# Altium PCB controller_V1.0.PcbDoc (part 1 of 8)
Units mm, origin at the board's own origin, x right, y up, seen from the top; angles counter-clockwise.
Board outline 284.13 x 175.13 mm, 4 copper layers (Top Layer, GND, VCC, Bottom Layer); 496 components, 415 nets, 1682 pads, 750 vias.
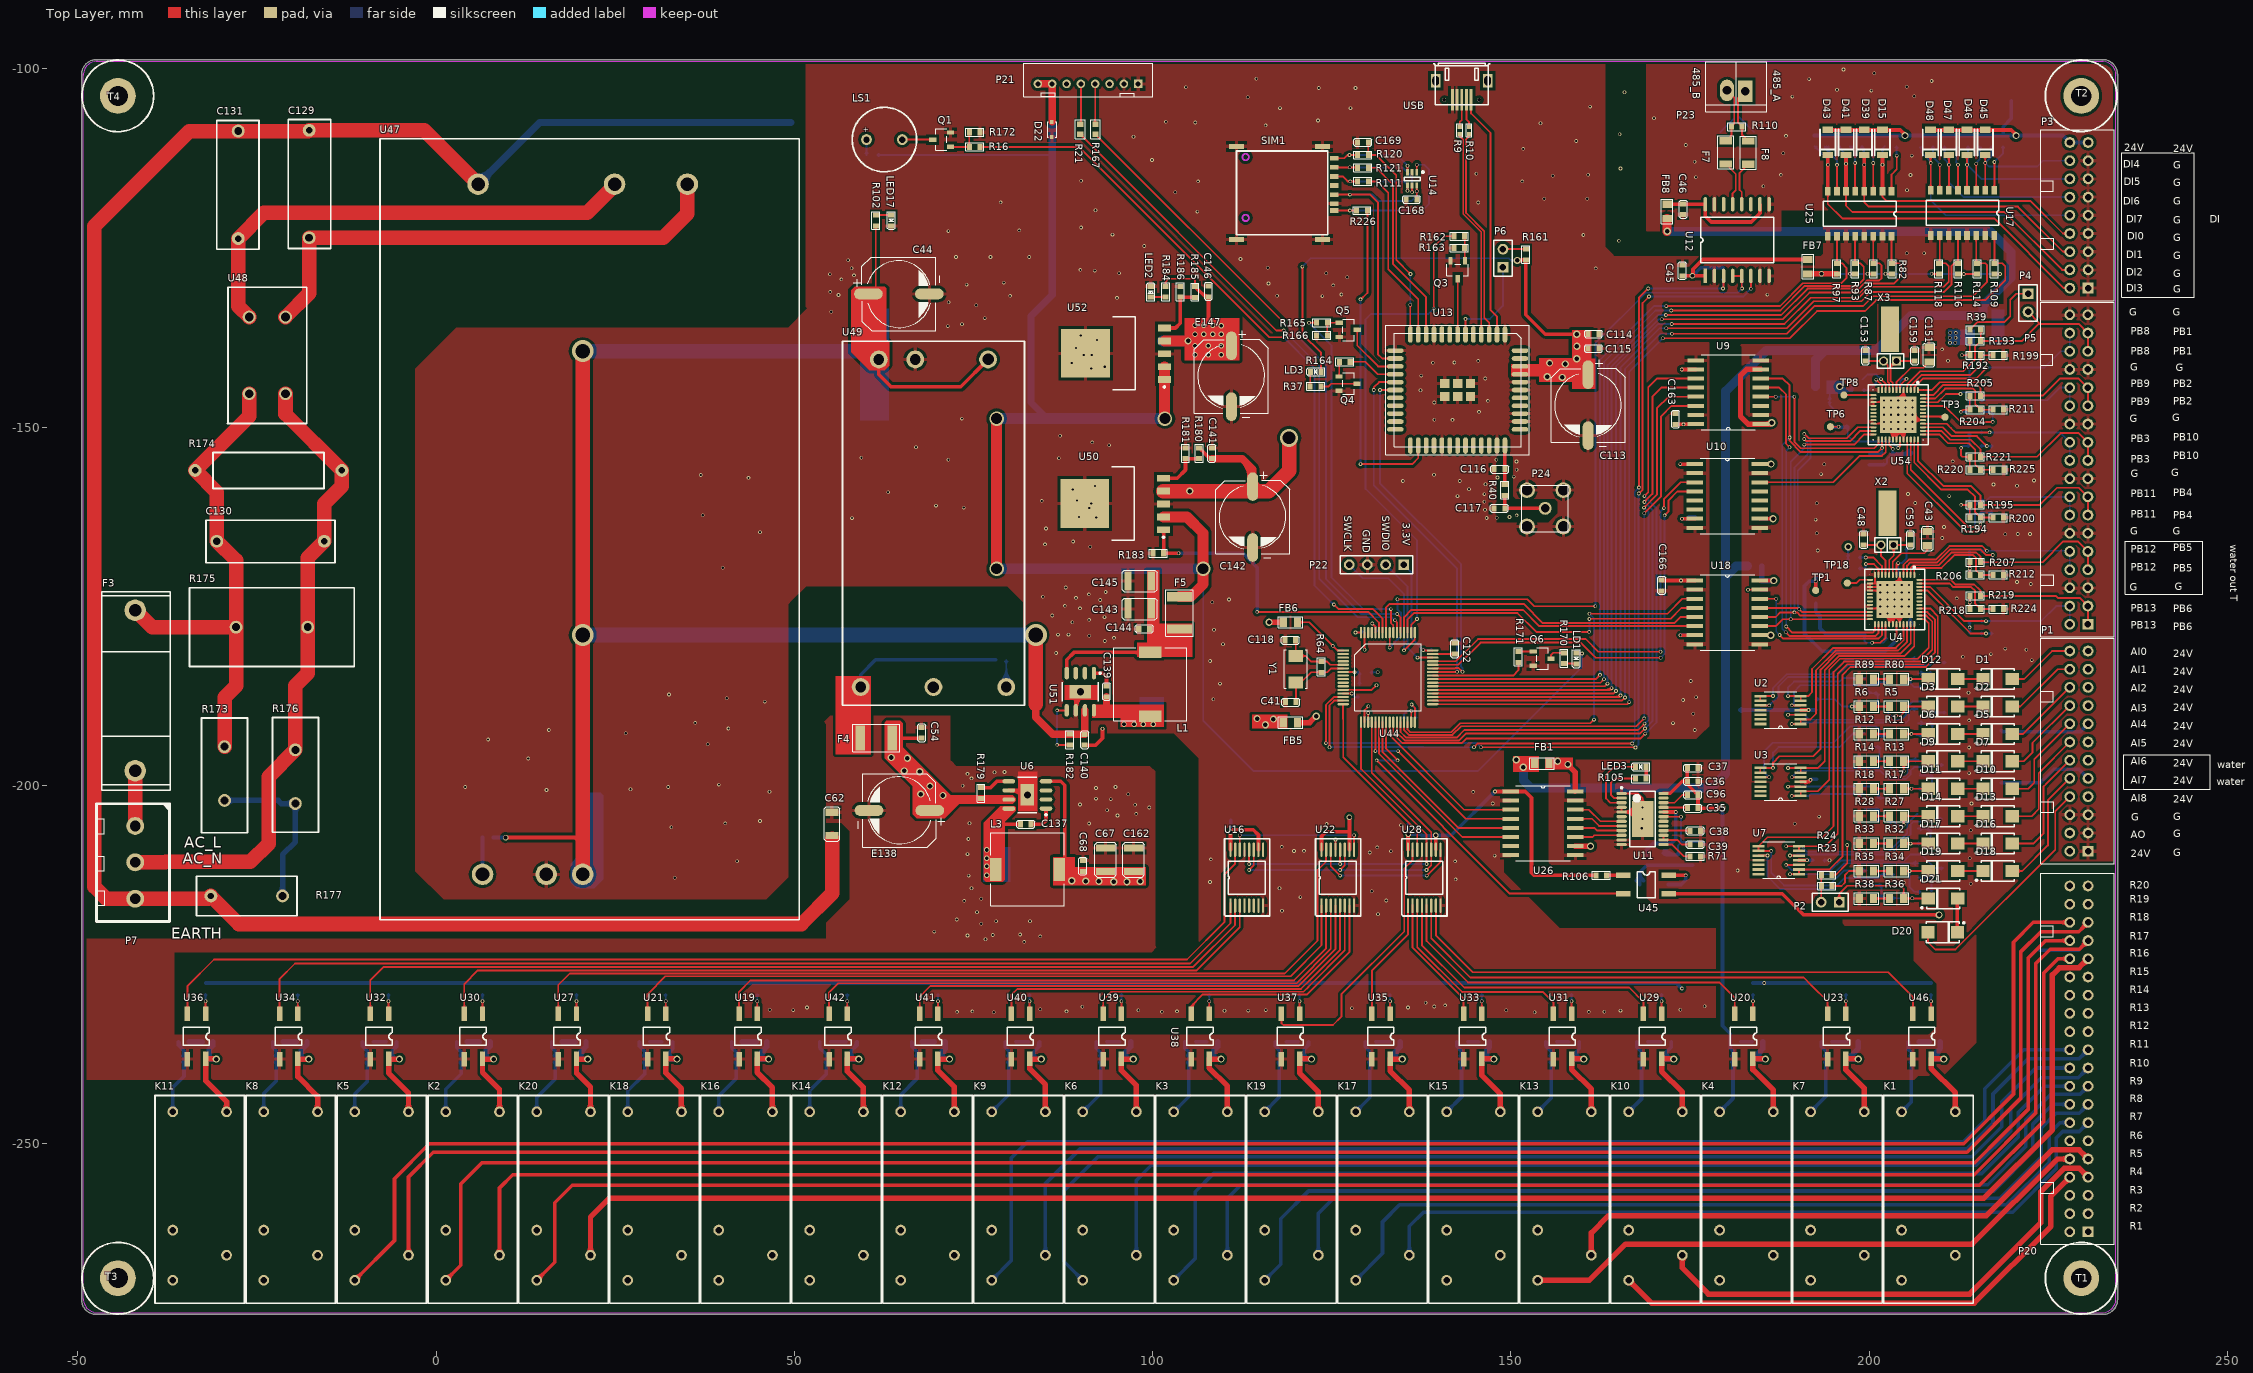
[diagram p0: Top Layer view]
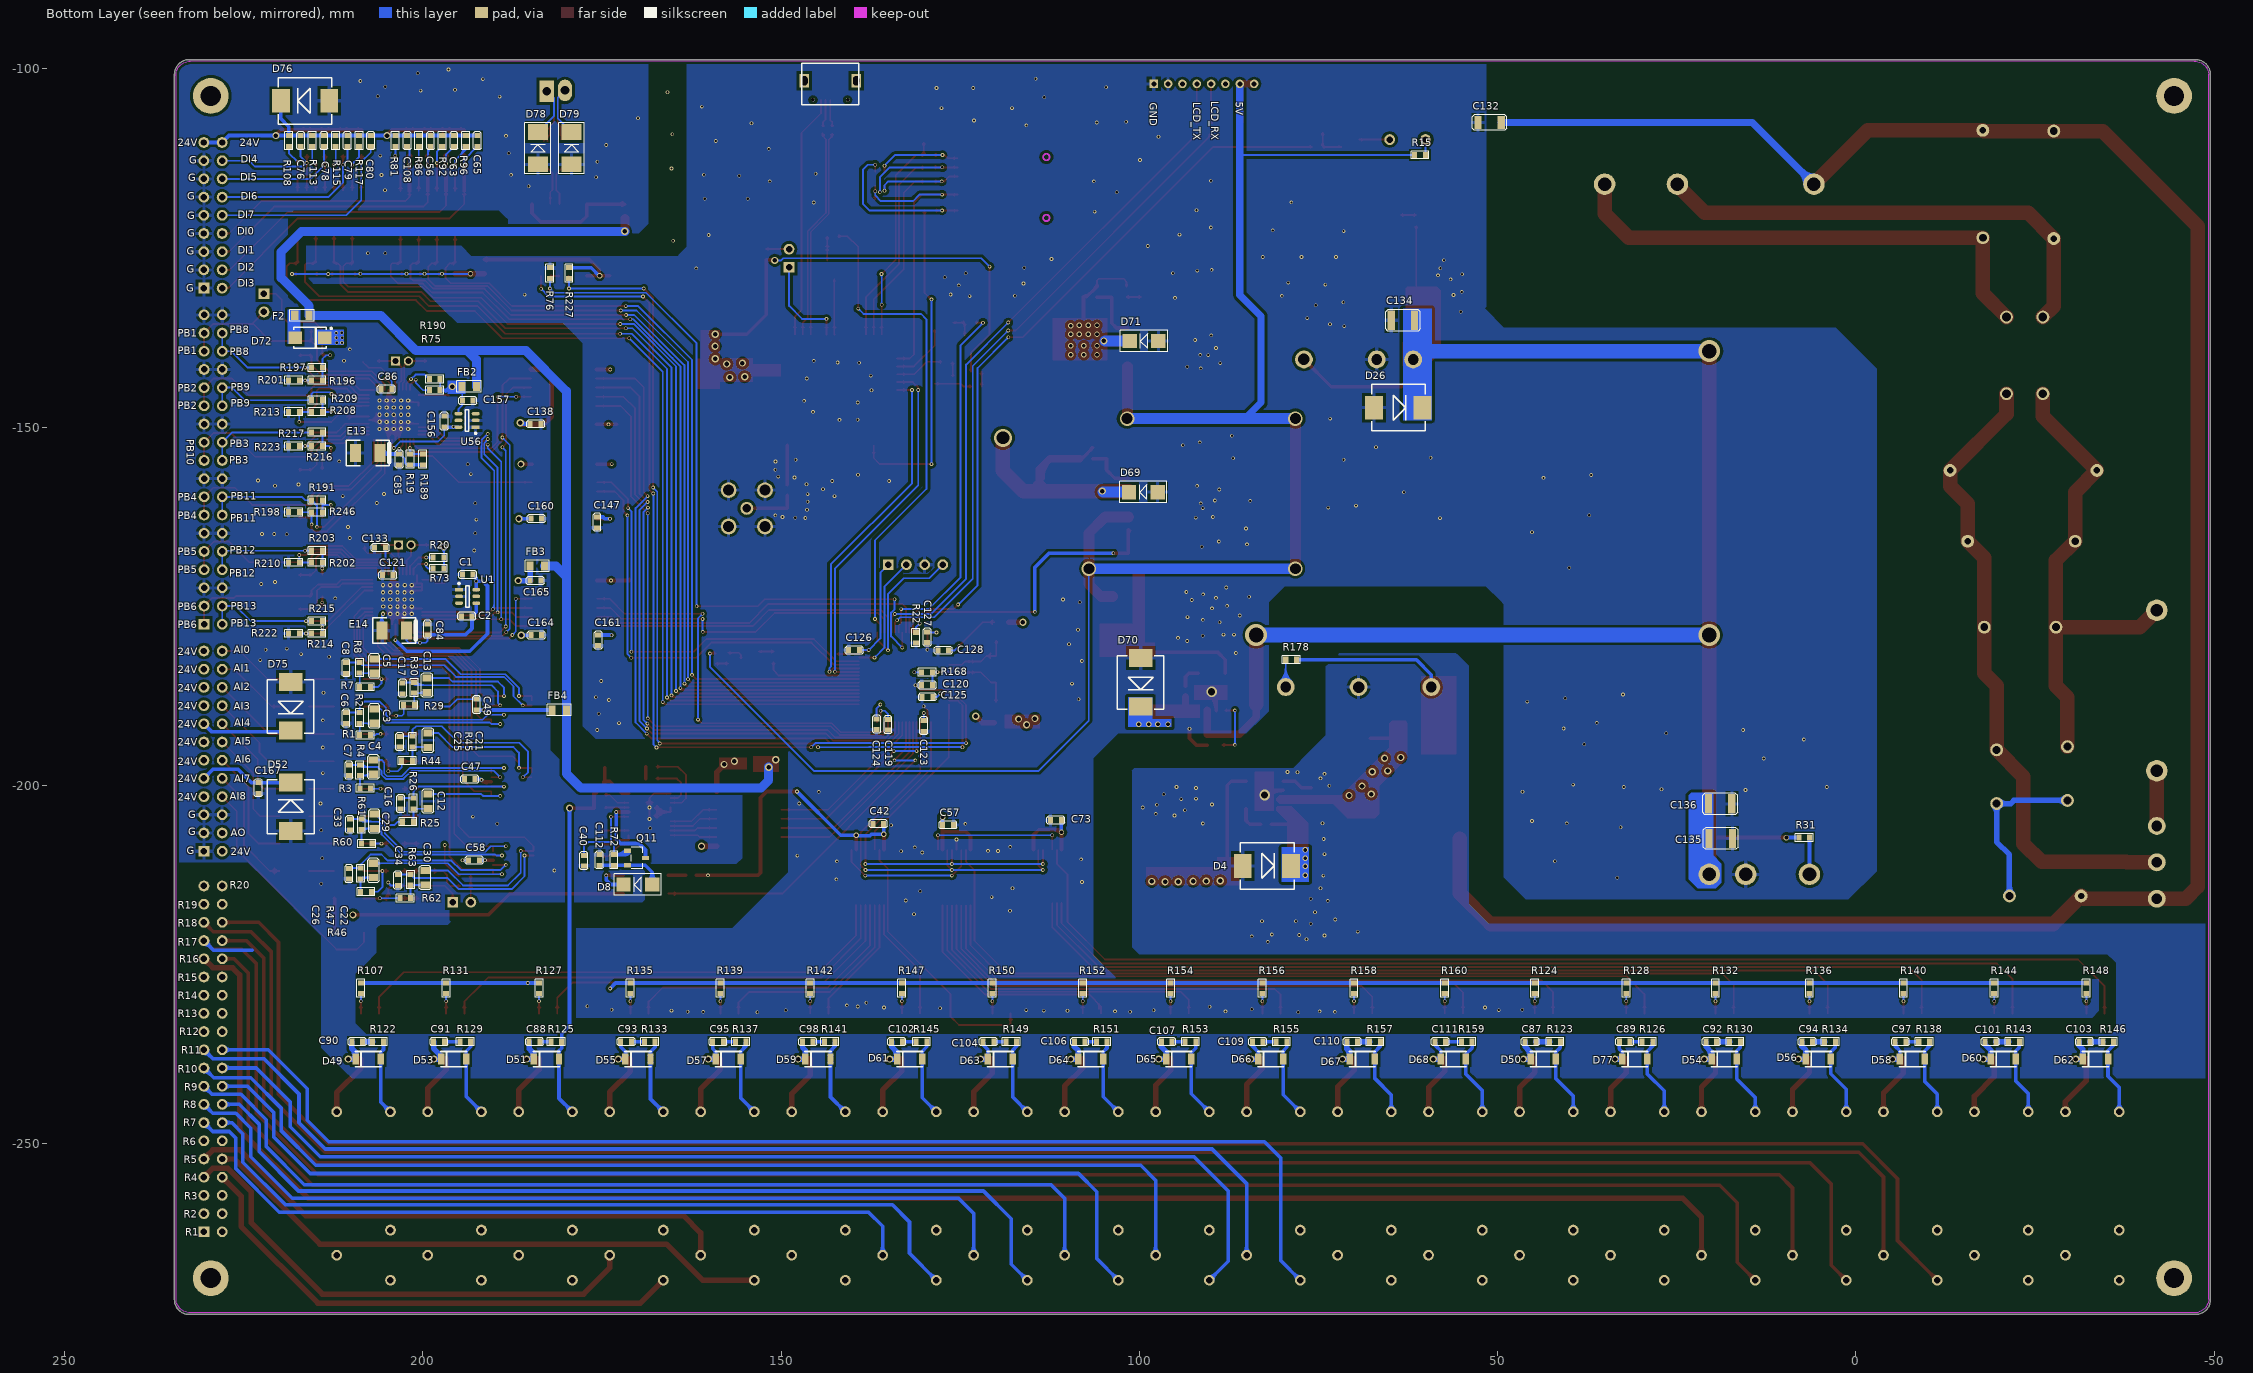
[diagram p1: Bottom Layer view, seen from below]
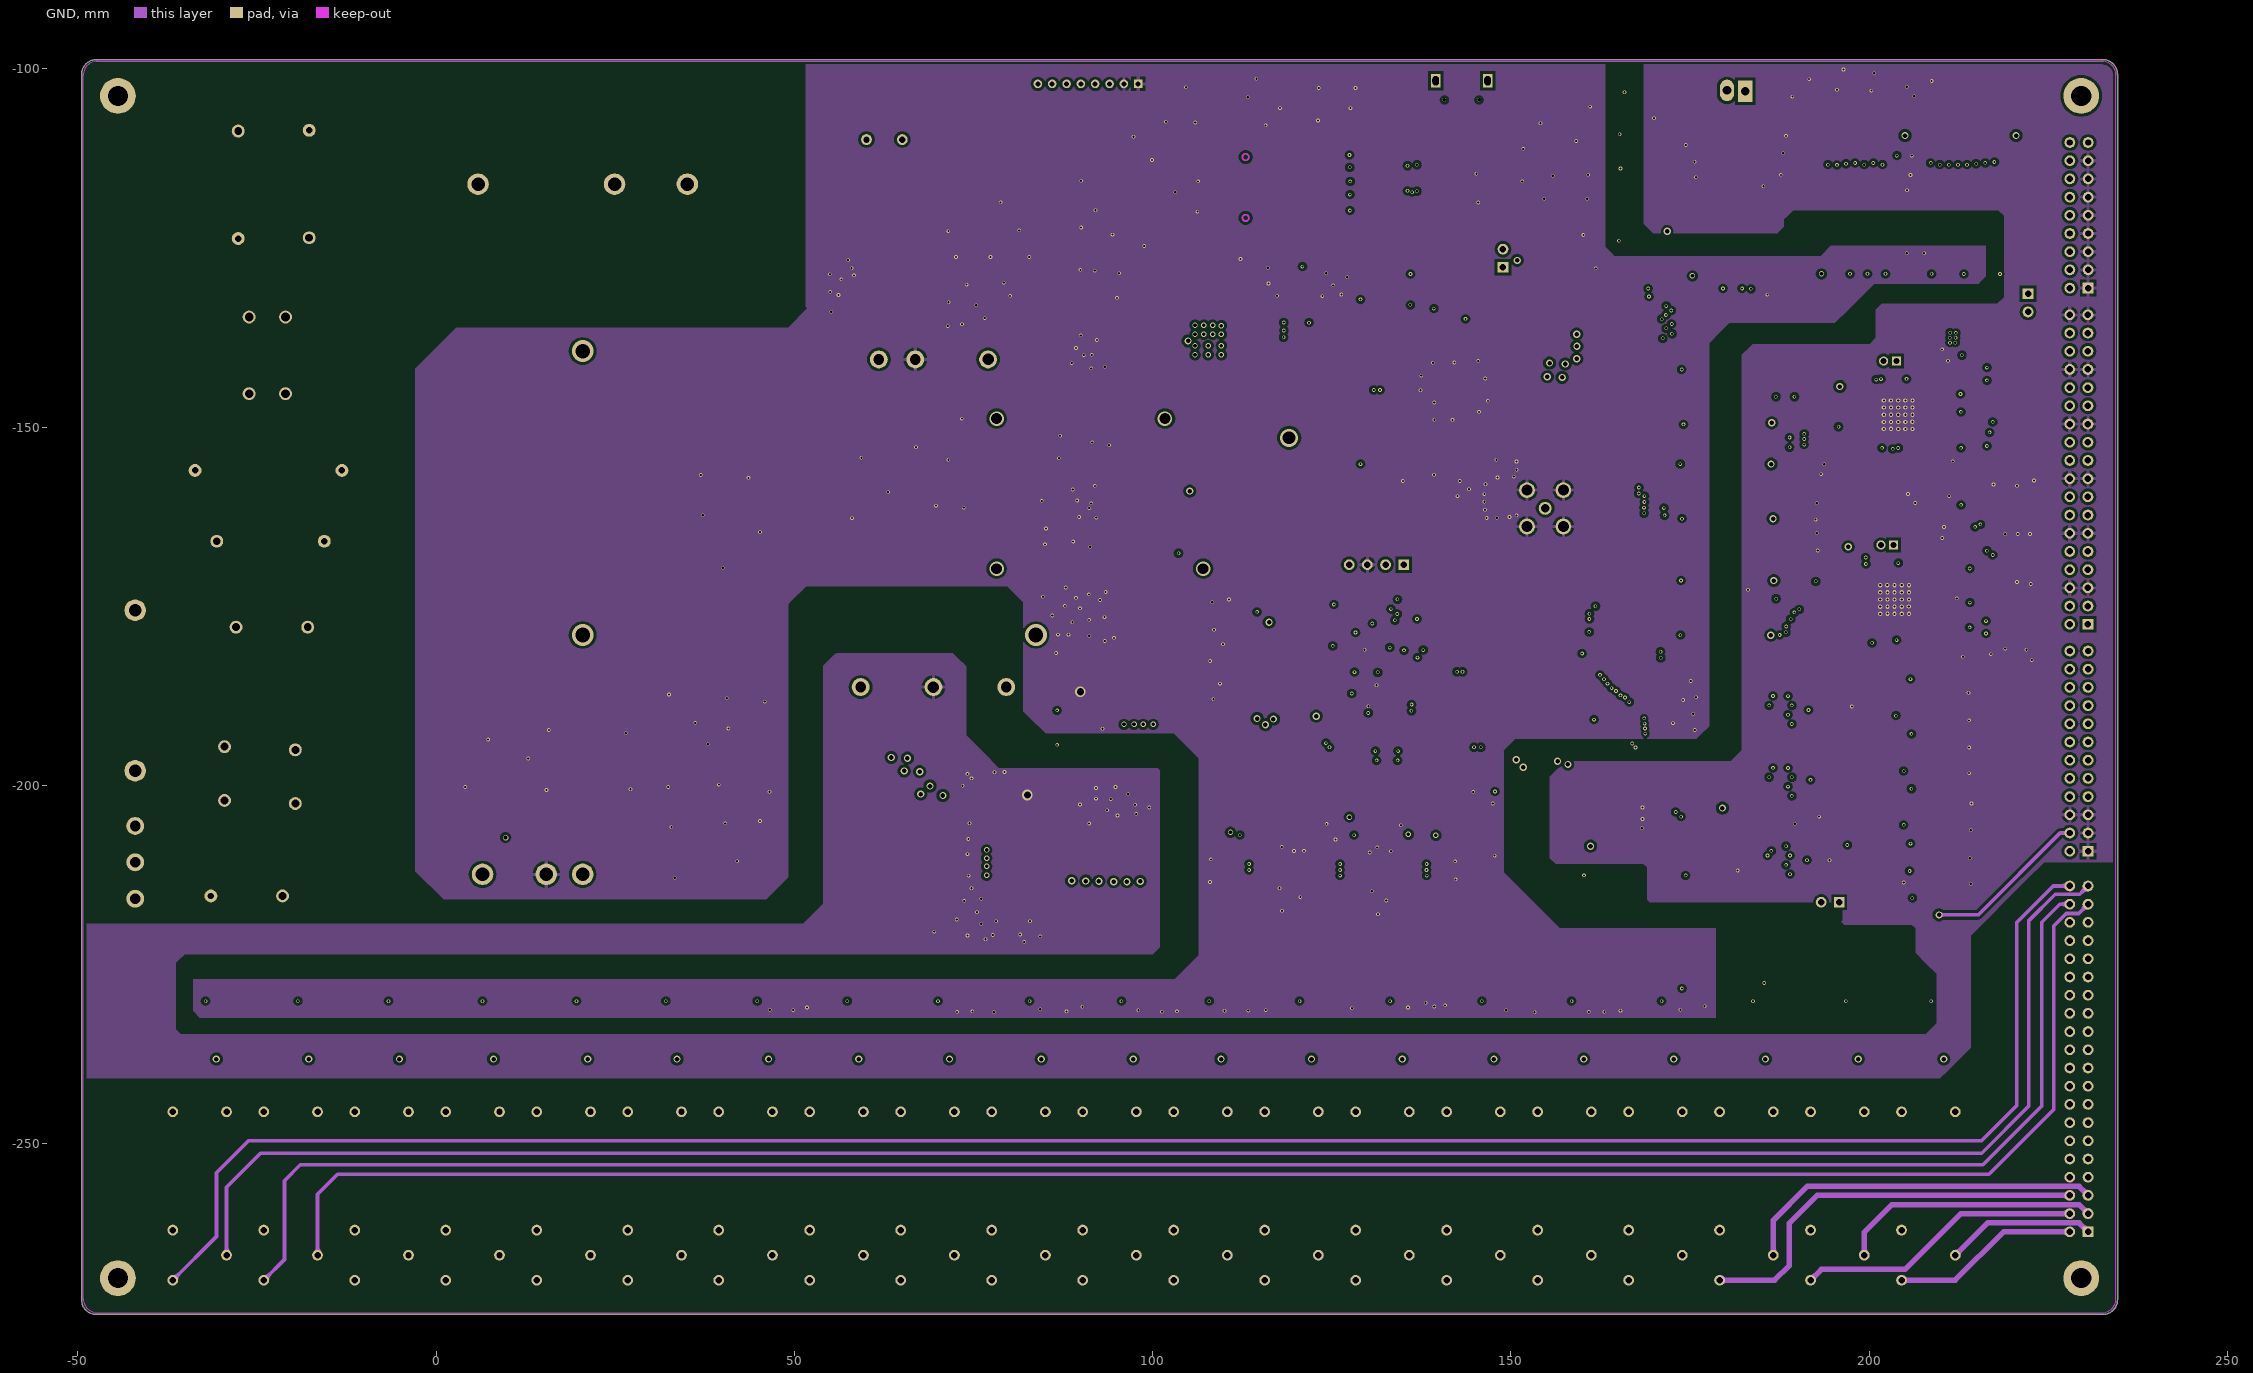
[diagram p2: GND]
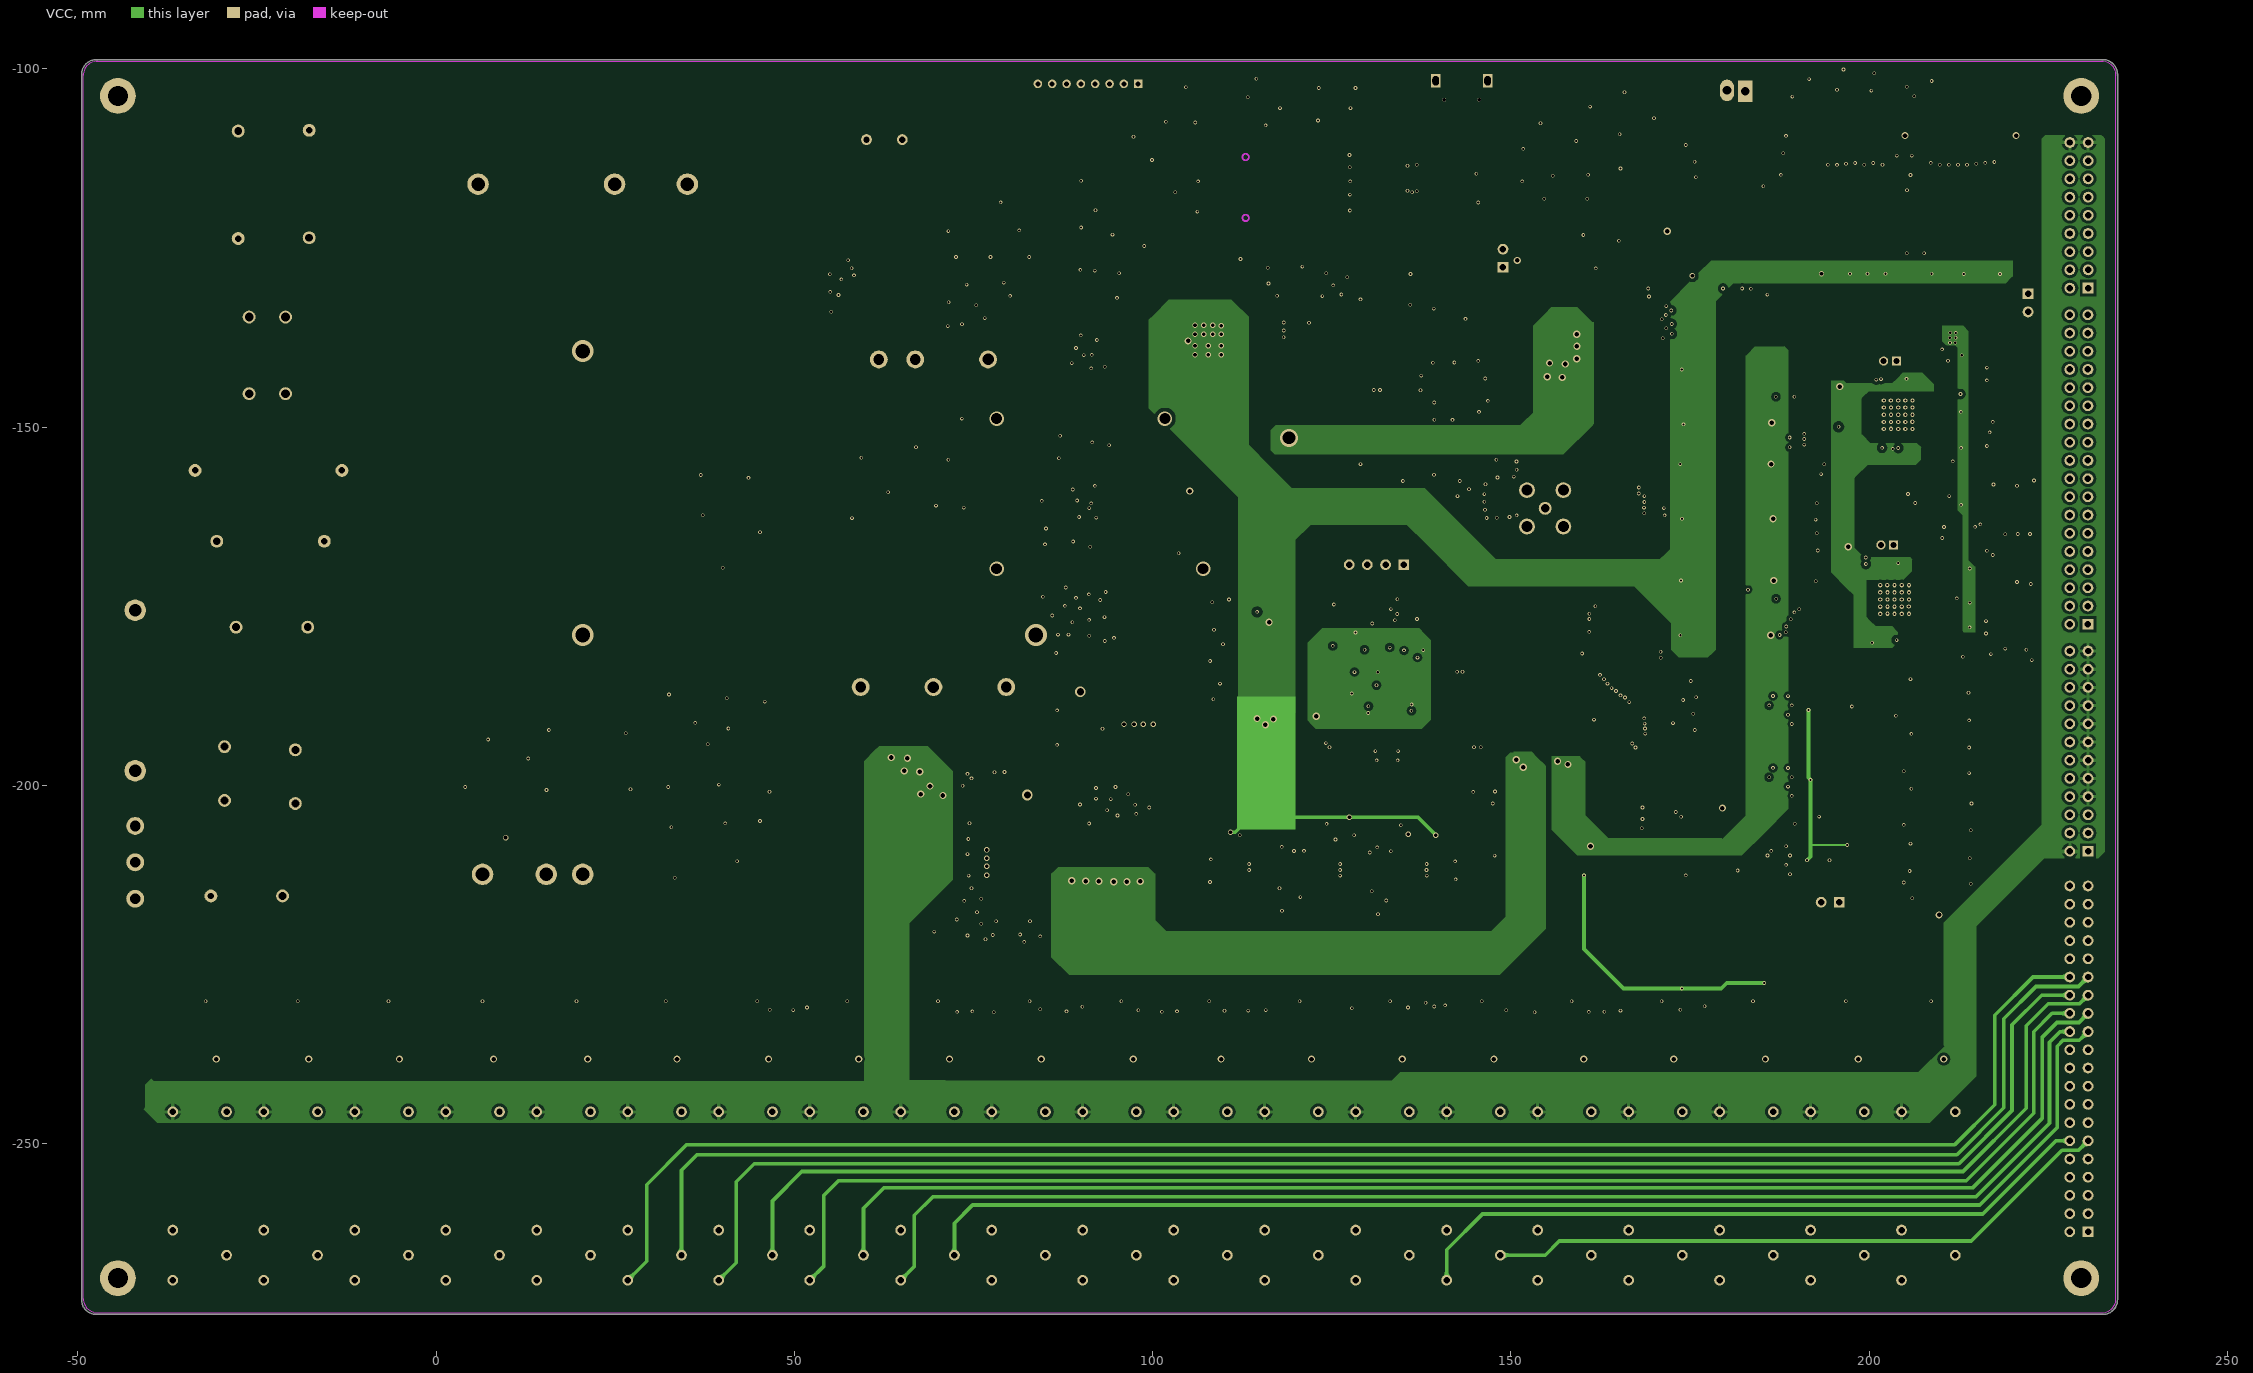
[diagram p3: VCC]

## Layer stack, top to bottom
Top Layer: signal copper 0.0356
Dielectric: core 0.32, FR-4, Dk 4.8
GND: signal copper 0.0356
Dielectric: prepreg 0.32, FR-4, Dk 4.8
VCC: signal copper 0.0356
Dielectric: core 0.32, FR-4, Dk 4.8
Bottom Layer: signal copper 0.0356

## Board outline
-47.678,-273.826 cw(c-47.406,-271.781) -49.469,-271.781 -49.469,-100.762 cw(c-49.406,-100.762) -49.469,-100.758 cw(c-47.406,-100.781) -47.428,-98.717 cw(c-47.424,-98.781) -47.424,-98.717 232.689,-98.717 cw(c232.689,-98.781) 232.709,-98.72 cw(c232.594,-100.781) 234.655,-100.666 cw(c234.594,-100.686) 234.658,-100.686 234.658,-271.781 cw(c232.594,-271.781) 232.594,-273.844 -47.634,-273.844 cw(c-47.634,-273.781)

## Design rules (kind name [scope] priority, off if disabled: settings)
Clearance [InPolygon] p1: gap=0.381
Clearance Clearance_1 [All] p2: gap=0.127
DiffPairsRouting [All] p1: maxlimit=0.254 minlimit=0.254 mostfreqgap=0.254 maxuncoupledlength=12.7
HoleToHoleClearance [All] p1: gap=0.127 allowstackedmicrovias=TRUE
MinimumSolderMaskSliver [All] p1: minsoldermaskwidth=0.127
PolygonConnect PolygonConnect_1 [IsVia] p1: connectstyle=Direct reliefconductorwidth=0.254 reliefentries=4 polygonreliefangle="90 Angle"
PolygonConnect [All] p2: connectstyle=Relief reliefconductorwidth=0.508 reliefentries=4 polygonreliefangle="90 Angle"
RoutingVias [All] p1: holewidth=0.254 width=0.508 viastyle="Through Hole" minholewidth=0.254 minwidth=0.508 maxholewidth=2.54 maxwidth=5.08
SilkToSilkClearance [All] p1: silktosilkclearance=0.127
SilkscreenOverComponentPads [All] p1: minsilkscreentomaskgap=0
SolderMaskExpansion [All] p1: expansion=0.102
Width [All] p1: maxlimit=5.08 minlimit=0.254 preferedwidth=0.254
23 further rules are at their usual default settings.

## Classes and differential pairs
component class rs485: C45 C46 D78 D79 F7 F8 FB7 FB8 P23 R76 R110 R227 U12
component class relay: K1 K2 K3 K4 K5 K6 K7 K8 K9 K10 K11 K12 K13 K14 K15 K16 K17 K18 K19 K20 P20
component class pt100: C151 C153 C156 C157 C159 D72 F2 P4 P5 R39 R75 R189 R190 R191 R192 R193 R194 R195 R196 R197 R198 R199 R200 R201 R202 R203 R204 R205 R206 R207 R208 R209 R210 R211 R212 R213 R214 R215 R216 R217 R218 R219 R220 R221 R222 R223 R224 R225 R246 TP3 TP6 TP8 U54 U56 X3
component class power: C44 C54 C62 C67 C68 C129 C130 C131 C132 C134 C135 C136 C137 C139 C140 C141 C142 C143 C144 C145 C146 C162 D4 D26 D69 D70 D71 E138 E147 F3 F4 F5 L1 L3 LED2 LED17 P7 R31 R102 R173 R174 R175 R176 R177 R178 R179 R180 R181 R182 R183 R184 R185 R186 T1 T2 T3 T4 U6 U47 U48 U49 U50 U51 U52
component class mcu: C41 C118 C119 C120 C122 C123 C124 C125 C126 C127 C128 D22 FB5 FB6 LD1 LS1 P21 P22 Q1 Q6 R15 R16 R21 R22 R64 R167 R168 R170 R171 R172 U44 Y1
component class LTE: C113 C114 C115 C116 C117 C168 C169 LD3 P6 P24 Q3 Q4 Q5 R9 R10 R37 R40 R111 R120 R121 R161 R162 R163 R164 R165 R166 R226 SIM1 U13 U14 USB
component class IO_ctrl: C42 C57 C73 U16 U22 U28
component class do: C87 C88 C89 C90 C91 C92 C93 C94 C95 C97 C98 C101 C102 C103 C104 C106 C107 C109 C110 C111 D49 D50 D51 D53 D54 D55 D56 D57 D58 D59 D60 D61 D62 D63 D64 D65 D66 D67 D68 D77 F1 R107 R122 R123 R124 R125 R126 R127 R128 R129 R130 R131 R132 R133 R134 R135 R136 R137 R138 R139 R140 R141 R142 R143 R144 R145 R146 R147 R148 R149 R150 R151 R152 R153 R154 R155 R156 R157 R158 R159 R160 U19 U20 U21 U23 U27 U29 U30 U31 U32 U33 U34 U35 U36 U37 U38 U39 U40 U41 U42 U46
component class di: C56 C63 C65 C76 C78 C79 C80 C108 D15 D39 D41 D43 D45 D46 D47 D48 D76 P3 R81 R82 R86 R87 R92 R93 R96 R97 R108 R109 R113 R114 R115 R116 R117 R118 U17 U25
component class ao: C35 C36 C37 C38 C39 C40 C96 C112 C165 C166 C167 D8 D75 FB3 LED3 Q11 R71 R72 R105 R106 U11 U26 U45
component class ai: C1 C2 C3 C4 C5 C6 C7 C8 C12 C13 C16 C17 C21 C22 C25 C26 C29 C30 C33 C34 C43 C47 C48 C49 C58 C59 C84 C85 C86 C121 C133 C138 C147 C160 C161 C163 C164 D1 D2 D3 D5 D6 D7 D9 D10 D11 D12 D13 D14 D16 D17 D18 D19 D20 D21 D52 E13 E14 FB1 FB2 FB4 P1 P2 R1 R2 R3 R4 R5 R6 R7 R8 R11 R12 R13 R14 R17 R18 R19 R20 R23 R24 R25 R26 R27 R28 R29 R30 R32 R33 R34 R35 R36 R38 R44 R45 R46 R47 R60 R61 R62 R63 R73 R80 R89 TP1 TP18 U1 U2 U3 U4 U7 U9 U10 U18 X2
differential pair MB_RX1: +MB_RX1_P -MB_RX1_N

## Components (designator, comment, footprint, x,y, rotation, side; value= is the part's Value field where it differs from the comment)
C1 "1uF" 0603C 192.987,-170.586 r0 bottom
C2 "0.1uF" 0603C 194.638,-176.428 r180 bottom
C3 "220nF" 0805C 206.781,-191.347 r90 bottom
C4 "220nF" 0805C 206.906,-198.45 r90 bottom
C5 "220nF" 0805C 206.781,-184.353 r90 bottom
C6 "0.1uF" 0603C 210.718,-191.364 r90 bottom
C7 "0.1uF" 0603C 210.309,-198.65 r90 bottom
C8 "0.1uF" 0603C 210.718,-184.379 r90 bottom
C12 "220nF" 0805C 199.288,-203.229 r90 bottom
C13 "220nF" 0805C 199.413,-187.029 r90 bottom
C16 "0.1uF" 0603C 203.098,-203.302 r90 bottom
C17 "0.1uF" 0603C 202.816,-187.229 r90 bottom
C21 "220nF" 0805C 199.288,-194.72 r90 bottom
C22 "220nF" 0805C 206.906,-212.881 r90 bottom
C25 "0.1uF" 0603C 203.225,-194.666 r90 bottom
C26 "0.1uF" 0603C 210.309,-213.081 r90 bottom
C29 "220nF" 0805C 206.779,-206.023 r90 bottom
C30 "220nF" 0805C 199.669,-213.897 r90 bottom
C33 "0.1uF" 0603C 210.182,-206.223 r90 bottom
C34 "0.1uF" 0603C 203.479,-213.97 r90 bottom
C35 "0.01uF" 0603C 174.621,-203.175 r0 top
C36 "0.01uF" 0603C 176.121,-199.449 r180 top
C37 "0.1uF" 0603C 176.121,-197.587 r180 top
C38 "0.1uF" 0603C 174.978,-206.35 r0 top
C39 "0.1uF" 0603C 174.978,-208.255 r0 top
C40 "0.1uF" 0603C 177.518,-211.279 r90 bottom
C41 "20p" 0603c 118.516,-188.392 r0 top
C42 "0.1uF" 0603C 135.687,-205.384 r0 bottom
C43 "22nF" 0805C 208.117,-166.573 r90 top
C44 "220uF/50V" Φ10×10 64.59,-131.42 r90 top
C45 "0.1uF" 0603C 173.937,-127.406 r270 top
C46 "0.1uF" 0603C 174.038,-120.371 r90 top
C47 "0.1uF" 0603C 194.208,-199.136 r180 bottom
C48 "4.7pF" 0603C 199.227,-166.446 r90 top
C49 "0.1uF" 0603C 192.507,-187.985 r270 bottom
C54 "1uF" 0603C 67.765,-191.922 r270 top
C56 "10nF/50V" 0603C 198.926,-109.322 r270 bottom
C57 "0.1uF" 0603C 127.457,-205.537 r180 bottom
C58 "0.1uF" 0603C 193.599,-210.464 r180 bottom
C59 "4.7pF" 0603C 205.765,-166.472 r90 top
C62 "1nF/2kV" 1206C 55.268,-203.759 r270 top
C63 "10nF/50V" 0603C 195.653,-109.322 r270 bottom
C65 "10nF/50V" 0603C 192.38,-109.322 r270 bottom
C67 "22uF/10V" 1210C 93.444,-212.014 r90 top
C68 "0.1uF" 0603C 90.269,-212.014 r90 top
C73 "0.1uF" 0603C 110.896,-204.876 r0 bottom
C76 "10nF/50V" 0603C 217.061,-109.322 r270 bottom
C78 "10nF/50V" 0603C 213.795,-109.322 r270 bottom
C79 "10nF/50V" 0603C 210.53,-109.322 r270 bottom
C80 "10nF/50V" 0603C 207.264,-109.322 r270 bottom
C84 "0.01uF" 0603C 199.354,-177.495 r270 bottom
C85 "0.1uF" 0603C 203.291,-155.27 r90 bottom
C86 "0.1uF" 0603C 205.831,-144.729 r180 bottom
C87 "0.1uF" 0603C 46.176,-235.788 r180 bottom
C88 "0.1uF" 0603C 185.162,-235.788 r180 bottom
C89 "0.1uF" 0603C 33.016,-235.788 r180 bottom
C90 "0.1uF" 0603C 209.919,-235.788 r180 bottom
C91 "0.1uF" 0603C 198.497,-235.788 r180 bottom
C92 "0.1uF" 0603C 20.926,-235.788 r180 bottom
C93 "0.1uF" 0603C 172.388,-235.788 r180 bottom
C94 "0.1uF" 0603C 7.54,-235.788 r180 bottom
C95 "0.1uF" 0603C 159.559,-235.788 r180 bottom
C96 "0.01uF" 0603C 174.621,-201.312 r0 top
C97 "0.1uF" 0603C -5.463,-235.788 r180 bottom
C98 "0.1uF" 0603C 147.017,-235.788 r180 bottom
C101 "0.1uF" 0603C -18.012,-235.788 r180 bottom
C102 "0.1uF" 0603C 134.591,-235.788 r180 bottom
C103 "0.1uF" 0603C -31.143,-235.788 r180 bottom
C104 "0.1uF" 0603C 121.815,-235.788 r180 bottom
C106 "0.1uF" 0603C 109.064,-235.788 r180 bottom
C107 "0.1uF" 0603C 96.923,-235.788 r180 bottom
C108 "10nF/50V" 0603C 202.199,-109.322 r270 bottom
C109 "0.1uF" 0603C 84.223,-235.788 r180 bottom
C110 "0.1uF" 0603C 71.04,-235.788 r180 bottom
C111 "0.1uF" 0603C 58.747,-235.788 r180 bottom
C112 "0.01uF" 0603C 175.359,-209.676 r270 bottom
C113 "220uF/50V" Φ10×10 160.779,-146.939 r0 top
C114 "100nF/50V" 0603C 162.278,-137.008 r180 top
C115 "33pF/50V" 0603C 162.278,-139.04 r180 top
C116 "NC" 0603c 149.172,-155.88 r180 top
C117 "NC" 0603c 149.149,-161.341 r180 top
C118 "20p" 0603c 118.466,-179.756 r0 top
C119 "2.2uF/50V" 0603C 135.091,-192.292 r90 bottom
C120 "0.1uF/50V" 0603C 130.378,-186.03 r180 bottom
C121 "0.1uF" 0603C 205.638,-170.663 r180 bottom
C122 "2.2uF/50V" 0603C 142.164,-180.162 r270 top
C123 "0.1uF/50V" 0603C 130.099,-192.456 r90 bottom
C124 "0.1uF/50V" 0603C 136.677,-192.227 r90 bottom
C125 "0.1uF/50V" 0603C 130.325,-187.681 r180 bottom
C126 "0.1uF/50V" 0603C 140.564,-181.127 r180 bottom
C127 "0.1uF/50V" 0603C 129.614,-180.086 r90 bottom
C128 "0.1uF/50V" 0603C 128.115,-181.178 r180 bottom
C129 "2.2nF/400VAC" 15x18 -17.706,-108.585 r270 top
C130 "0.15μF/300VAC" 15x18 -15.598,-165.938 r180 top
C131 "2.2nF/400VAC" 15x18 -27.612,-123.698 r90 top